# Altium PCB DCAC_V2c.PcbDoc (part 7 of 7)
Units mm, origin at the board's own origin, x right, y up, seen from the top; angles counter-clockwise.
Board outline 174.4 x 124.43 mm, 4 copper layers (Top Layer, TOP_RTN, BOTT_RTN, Bottom Layer), stack 1.506 mm thick; 694 components, 367 nets, 1780 pads, 720 vias.
Unrouted connection lines stored in the file: 177.
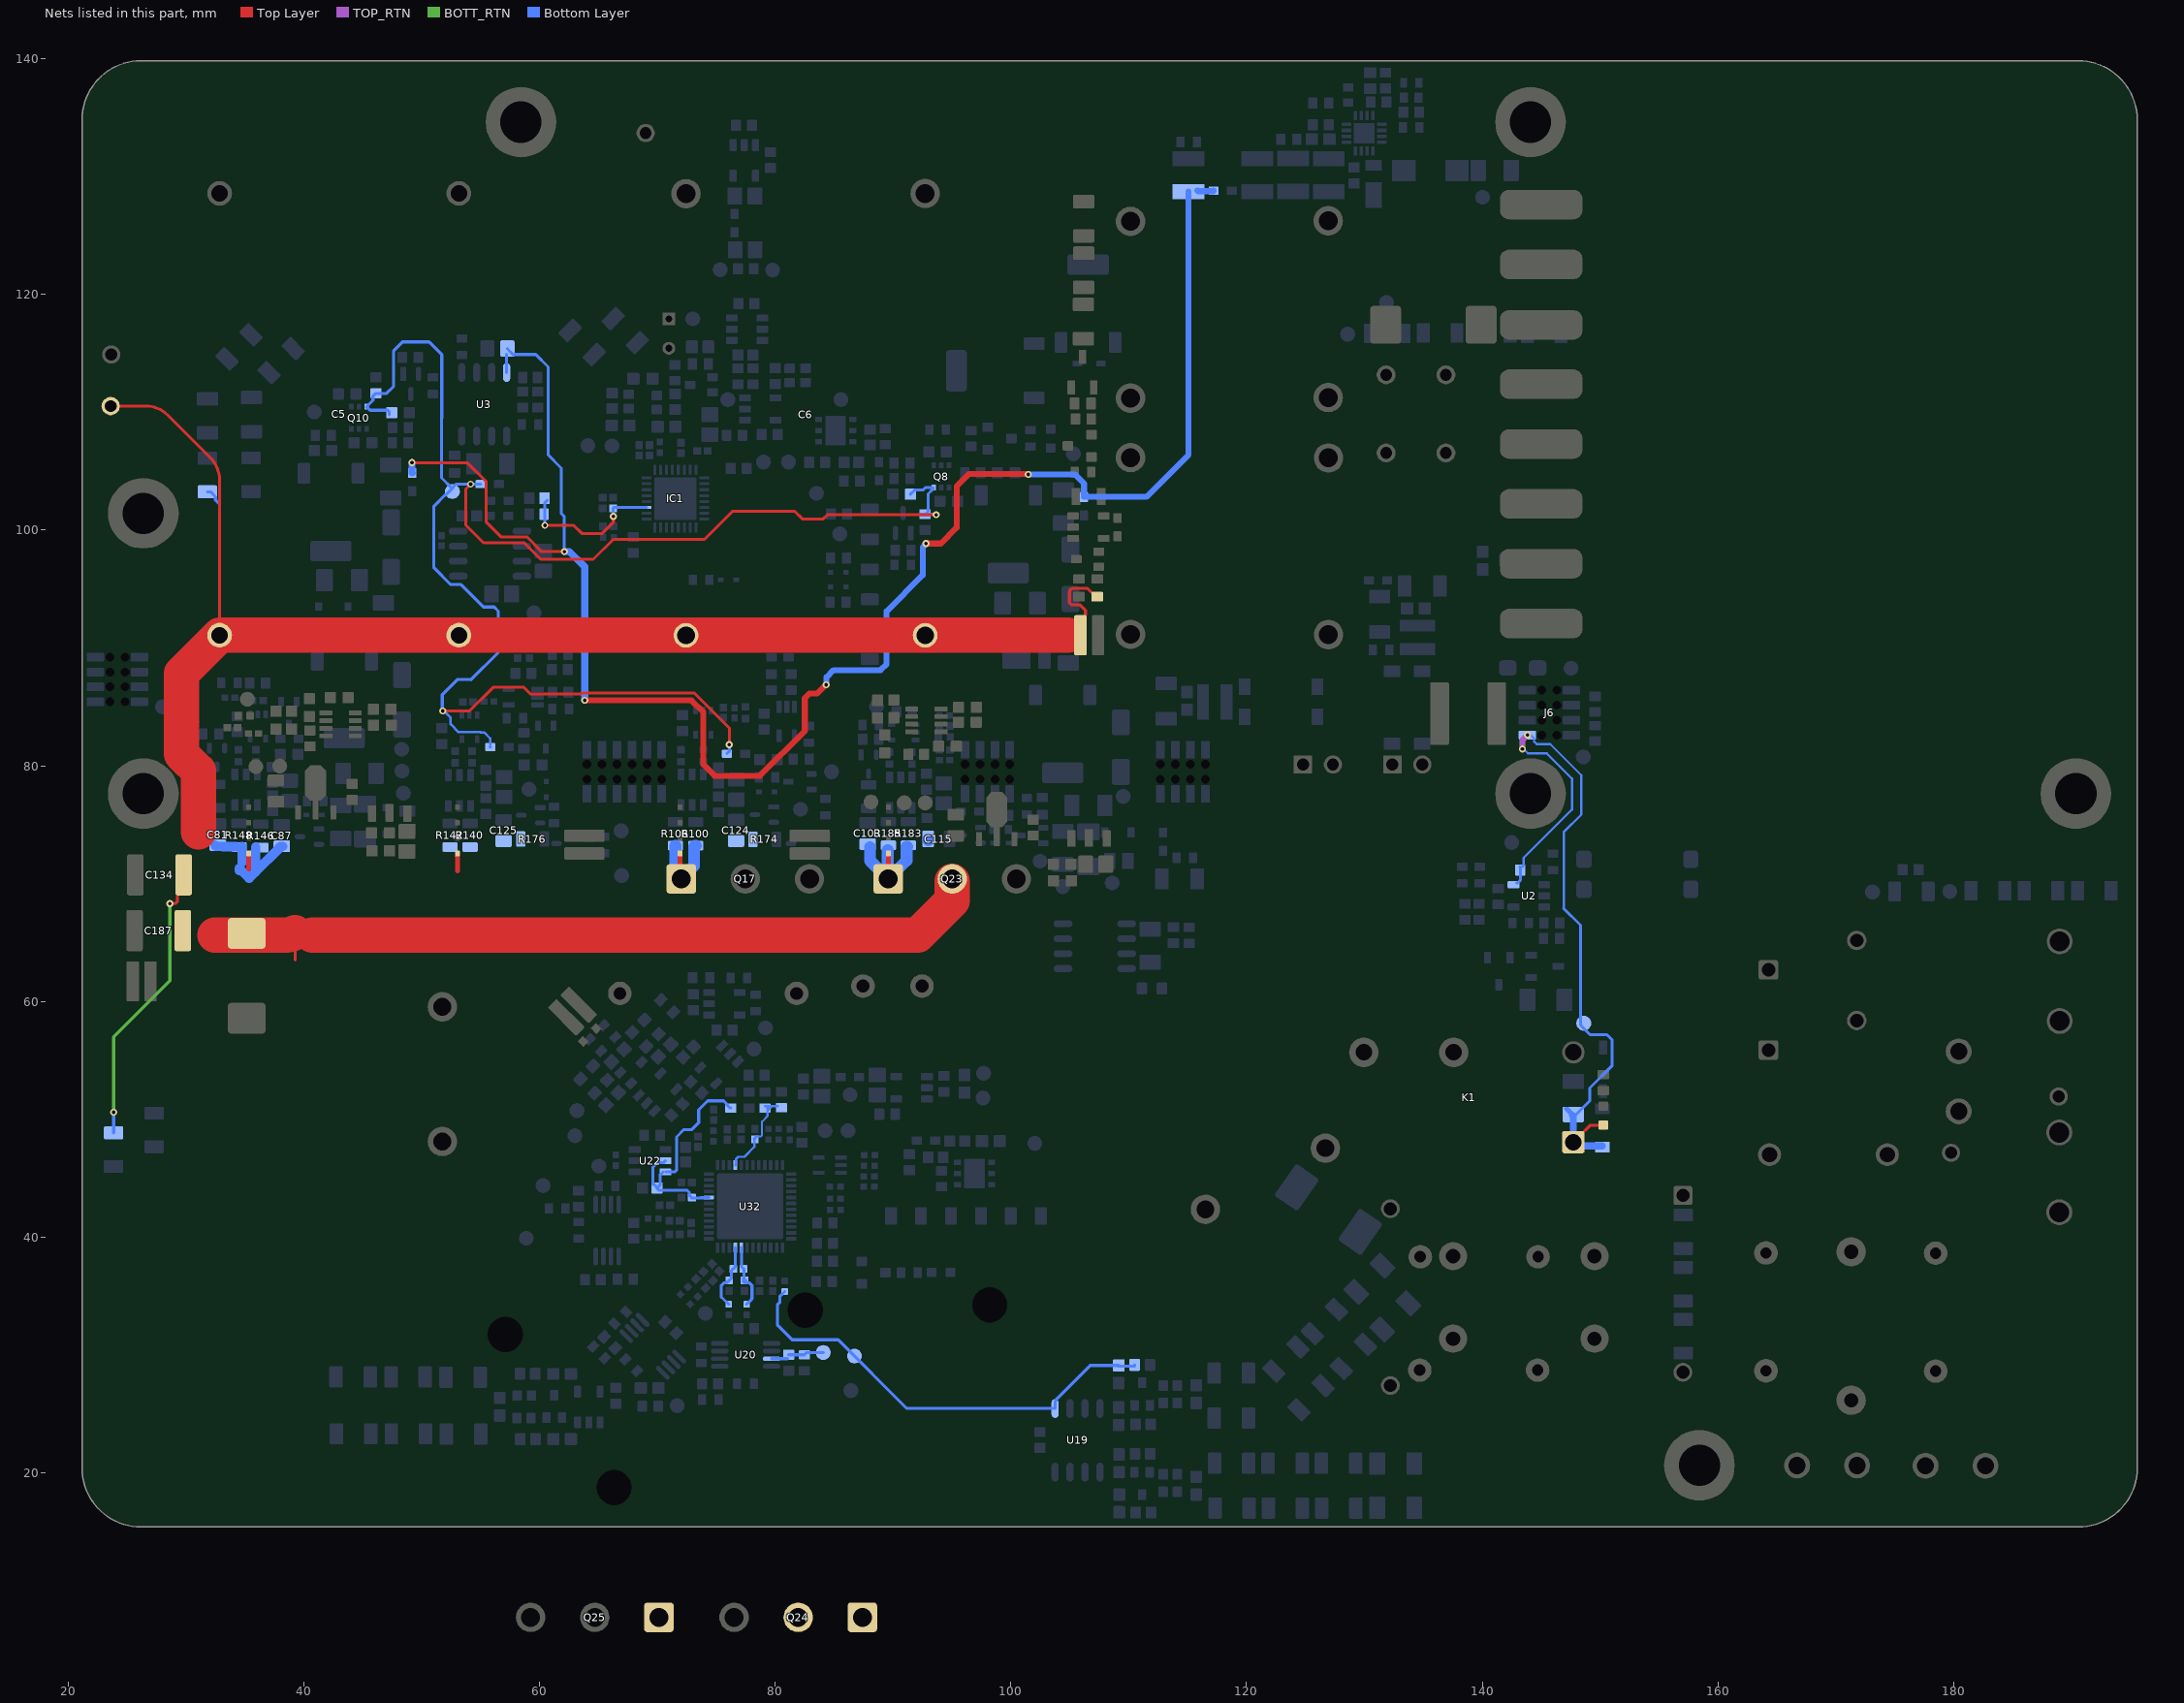
[diagram p9: the nets of this part, all layers, seen from the top]

## Via types
v1: diameter 0.6, hole 0.3, Top Layer to Bottom Layer, tented both sides, 679 vias
v2: diameter 0.6/0.6/0.6/0.6 (per signal layer), hole 0.3, Top Layer to Bottom Layer, tented both sides, 33 vias
v3: diameter 0.6, hole 0.3, Top Layer to Bottom Layer, 8 vias

## Nets (pads, with @x,y where several pads share a name; then routed paths per layer and width w, separated by ;. In a path a pad name is that pad's centre, name@x,y a point inside that pad or via, vN(x,y) a via of type N, cw(c..) or ccw(c..) an arc to the next point about the centre after c; other vN are vias at no path point) (continued)
V_12: C38.2 C116.2 D18.2 GRID_ON.2 J6.2 K1.1 TP70.1 U2.5 | length 66.3
  Top Layer w0.254: K1.1@148.1,48.5 148.175,48.5 149.175,49.5 GRID_ON.2@150.275,49.5
  TOP_RTN w0.5: v1(143.4,81.425) 143.419,81.444 143.419,82.192 v1@143.825,82.598
  Bottom Layer w0.203: C116.2@143.18,71.425 143.408,71.425 143.511,71.528 143.511,72.181 147.625,76.295 147.625,78.897 145.472,81.05 143.88,81.05 143.505,81.425 v1(143.4,81.425) ; J6.2@143.83,82.595 144.124,82.595 144.393,82.327 144.393,82.071 144.633,81.831 145.768,81.831 148.402,79.198 148.402,75.852 146.905,74.355 146.905,67.895
  Bottom Layer w0.254: U2.5@142.925,70.055 143,70.055 143.225,70.28 C116.2@143.225,71.155 C116.2@143.225,71.38 ; 146.905,67.895 148.335,66.465 148.335,57.99 149.15,57.175 150.575,57.175 151.025,56.725 151.025,54.55 149.125,52.65 149.125,51.55 147.975,50.4 C38.2@147.725,50.4
  Bottom Layer w0.3: C38.2@147.662,50.308 147.083,50.887 147.238,50.887 C38.2@147.725,50.4
  Bottom Layer w0.6: C38.2@147.662,50.308 147.727,50.308 147.727,48.053 K1.1@147.73,48.055 148.045,47.74 D18.2@150.165,47.74
  other v1: 143.825,82.625
V_16VP: C95.2 C98.2 FB3.1 FB4.2 FB14.2 Q8.6 Q10.6 R67.1 R79.1 TP48.1 | length 140.6
  Top Layer w0.254: v1(51.775,84.65) 54.05,84.65 56.055,86.655 58.676,86.655 59.249,86.082 63.492,86.082 63.582,86.171 73.143,86.171 76.1,83.214 v1(76.1,81.8) ; v1(54.15,103.9) 53.745,103.495 53.745,100.425 55.245,98.925 58.7,98.925 60.1,97.525 64.559,97.525 66.25,99.216 73.991,99.216 76.361,101.586 81.664,101.586 82.3,100.95 84.075,100.95 84.425,101.3 v1(93.65,101.3)
  Bottom Layer w0.203: v1(51.775,84.65) 51.882,84.65 52.455,84.078 52.455,83.531 53.132,82.854 54.986,82.854 55.003,82.838 55.287,82.838 55.798,82.327 FB14.2@55.798,81.602
  Bottom Layer w0.254: Q10.6@45.325,110.475 45.325,110.425 45.398,110.352 45.448,110.352 45.625,110.175 47.102,110.175 47.25,110.027 R79.1@47.25,109.775 ; Q10.6@45.448,110.598 45.86,111.01 45.86,111.36 46.075,111.575 46.981,111.575 47.618,112.212 47.618,115.224 48.369,115.975 50.625,115.975 51.705,114.895 51.705,109.507 51.688,109.491 51.688,104.437 52.525,103.6 TP48.1@52.6,103.6 ; v1(51.775,84.65) 51.742,84.683 51.742,86.026 53.017,87.3 53.042,87.325 54.15,87.325 ; 54.175,87.3 56.493,89.618 56.493,93.125 56.143,93.475 55.244,93.475 53.344,95.375 52.465,95.375 51.04,96.8 51.04,102.04 51.973,102.973 52.023,102.973 52.6,103.55 TP48.1@52.6,103.6 ; FB3.1@55,103.9 v1(54.15,103.9) 52.9,103.9 TP48.1@52.6,103.6 ; FB14.2@55.798,81.602 FB14.2@55.825,81.575 ; FB4.2@75.9,81.025 76.1,81.225 v1(76.1,81.8) ; R67.1@91.475,103.05 91.823,103.398 92.523,103.398 92.725,103.6 93.4,103.6 93.4,103.5 92.975,103.075 92.975,101.6 C95.2@92.725,101.35 v1@93.675,101.35
V_21VP: C105.2 C178.2 FB7.2 FB16.1 FB17.1 U3.8 | length 156.2
  Top Layer w0.254: v1(49.175,105.725) 53.85,105.725 55.475,104.1 55.475,100.675 56.725,99.425 58.925,99.425 60.175,98.175 v1(62.105,98.175)
  Top Layer w0.508: v1(63.836,85.555) 63.841,85.55 72.9,85.55 73.9,84.55 73.9,80.1 74.85,79.15 78.7,79.15 82.51,82.96 82.51,85.73 82.919,86.139 83.569,86.139 84.305,86.875 v1(84.33,86.875) ; v1(92.8,98.85) 92.805,98.855 94.055,98.855 95.4,100.2 95.4,103.725 96.45,104.775 101.425,104.775 v1(101.475,104.725)
  Bottom Layer w0.254: U3.8@57.205,113.375 C105.2@57.205,114.92 ; C105.2@57.275,115.4 57.275,115.373 57.748,114.9 59.675,114.9 60.725,113.85 60.725,106.375 61.845,105.255 61.845,101.399 62.104,101.141 62.104,98.27 v1@62.173,98.2
  Bottom Layer w0.508: v1(84.33,86.875) 84.347,86.893 84.347,87.508 84.953,88.113 88.938,88.113 89.45,88.625 89.45,93.1 92.525,96.175 92.525,98.55 92.8,98.825 v1(92.8,98.85) ; v1(101.475,104.725) 105.425,104.725 106.2,103.95 106.2,103.05 FB16.1@106.25,103 ; FB16.1@106.175,102.825 111.498,102.825 115.075,106.402 C178.2@115.075,128.725 ; C178.2@115.825,128.825 115.888,128.762 117.162,128.762 FB7.2@117.2,128.8
  Bottom Layer w0.6: v1(49.175,105.725) 49.175,104.875 FB17.1@49.2,104.85 ; v1(62.105,98.175) 62.525,98.175 63.825,96.875 63.825,85.566 v1(63.836,85.555)
V_400VDC: C5.1 C5.2 C6.1 C134.2 C187.2 D40.2 Q23.2 Q24.2 R161.1 R201.1 R205.1 RcsnHV.1 TP7.1 | length 225.6
  Top Layer w0.254: TP7.1@23.6,110.525 26.623,110.525 cw(c26.623,107.985) 28.419,109.781 32.056,106.144 cw(c30.139,104.227) 32.85,104.227 C5.2@32.85,91.075 ; v1@28.645,68.305 29.108,68.305 29.257,68.454 29.257,69.126 29.331,69.2 C134.2@29.45,69.2 ; 39.175,65.9 39.257,65.818 39.257,65.625 39.257,63.493 ; RcsnHV.1@105.9,91.075 106.298,91.473 106.298,92.77 106.325,92.797 106.325,93.189 105.869,93.645 105.149,93.645 104.97,93.824 104.97,94.75 cw(c105.275,94.75) 105.275,95.055 106.495,95.055 R205.1@107.05,94.5
  Top Layer w3: 29.717,80.899 cw(c31.894,82.962) 29.625,81 29.625,87.85 C5.2@32.85,91.075 C5.1@53.15,91.075 53.155,91.07 C6.1@72.425,91.07 C6.1@92.725,91.07 104.85,91.07 ; 29.733,80.883 31.053,79.563 31.053,74.383 ; 32.432,65.625 38.285,65.625 ccw(c38.285,68.165) 39.257,65.818 ; 40.72,65.63 92.1,65.63 95.025,68.555 Q23.2@95.025,70.2
  BOTT_RTN w0.254: v1(23.86,50.59) 23.86,56.985 28.625,61.75 v1(28.625,68.3)
  Bottom Layer w0.254: R201.1@23.85,48.84 23.86,48.85 v1(23.86,50.59) ; R161.1@31.8,103.25 32.075,103.25 32.498,102.827 32.498,102.552 32.85,102.2 C5.2@32.85,91.075
VAC_2: C131.2 R110.1 TP32.1 U20.3 | length 4.3
  Bottom Layer w0.254: U20.3@79.69,29.676 79.695,29.681 81.031,29.681 C131.2@81.05,29.7 ; C131.2@81.14,29.979 C131.2@81.165,29.979 ; C131.2@81.14,30.004 R110.1@82.385,30.005 ; R110.1@82.485,30.005 82.68,30.2 TP32.1@84.075,30.2
VAC_ADC1_IN1_2: C41.1 C83.2 R8.2 U32.8 | length 5.7
  Bottom Layer w0.254: U32.8@77.114,39.106 77.137,39.083 77.137,37.478 77.358,37.257 77.358,36.528 77.274,36.445 77.27,36.445 C41.1@77.4,36.315 ; C41.1@77.271,36.249 77.302,36.217 77.372,36.147 C41.1@77.404,36.116 ; C41.1@77.525,36.3 77.525,36.17 77.593,36.102 77.824,36.102 78.025,35.901 78.025,35.706 78.029,35.702 78.029,34.77 77.976,34.77 77.976,34.701 R8.2@77.575,34.3
VAC_ADC1_IN2_2: C83.1 C84.2 R32.2 U32.9 | length 5.7
  Bottom Layer w0.254: R32.2@76.05,34.3 75.463,34.887 75.425,34.887 75.425,35.901 75.626,36.102 75.857,36.102 76.05,36.295 C84.2@76.05,36.315 ; C84.2@76.1,36.315 76.268,36.483 C83.1@76.268,37.107 ; C83.1@76.267,37.108 76.242,37.108 C83.1@76.435,37.3 ; C83.1@76.438,37.3 76.598,37.46 76.598,37.626 76.614,37.642 U32.9@76.614,39.106
VAC_BF_OPAMP1_OUT_2: C147.2 R60.1 R194.1 TP31.1 U19.1 | length 38.4
  Bottom Layer w0.254: R60.1@80.8,35.375 80.38,34.955 80.38,34.449 80.175,34.245 80.175,32.55 81.44,31.285 85.34,31.285 91.175,25.45 U19.1@103.745,25.45 103.745,25.95 103.745,26.027 103.745,26.044 103.888,26.186 103.888,26.263 106.725,29.1 C147.2@109.15,29.1 ; C147.2@109.125,29.05 110.5,29.05 R194.1@110.5,29.15
VH_BOTT_HF_MOS: C125.1 D16.1 Q25.1 R140.2 R142.2 R176.2 | length 1.5
  Top Layer w0.4: D16.1@53.025,72.515 53.025,71.1 53.05,71.075
VH_BOTT_LF_MOS: C124.1 D17.1 Q17.1 R100.2 R106.2 R174.2 | length 7.9
  Top Layer w0.4: Q17.1@71.925,70.925 D17.1@71.925,72.565
  Bottom Layer w1: R106.2@71.525,73.225 71.525,70.9 Q17.1@72.025,70.4 ; Q17.1@72.45,70.4 72.45,70.825 73.1,71.475 73.1,73.125 73.2,73.225 R100.2@73.25,73.225
VH_TOP_HF_MOS: C81.1 C87.1 D13.1 Q24.1 R146.2 R148.2 | length 12.2
  Top Layer w0.4: 35.325,71.225 D13.1@35.325,72.565
  Bottom Layer w0.8: C81.1@32.45,73.25 32.55,73.15 33.111,73.15 33.136,73.125 R148.2@34.2,73.125 ; 34.75,71.8 R148.2@34.75,73.125 ; R146.2@35.9,73.1 35.9,70.99 ; C87.1@38.2,73.15 38,73.15 37.9,73.05 37.9,72.99 35.9,70.99 ; 34.72,71.09 35.36,70.45 35.9,70.99 ; 34.72,71.09 34.51,71.3 34.51,71.09 34.72,71.09
VH_TOP_LF_MOS: C103.1 C115.1 D14.1 Q23.1 R183.2 R185.2 | length 9.7
  Top Layer w0.4: Q23.1@89.5,70.8 89.6,70.9 D14.1@89.6,72.565
  Bottom Layer w1: C103.1@88.05,73.1 88.05,71.935 Q23.1@89.585,70.4 91.15,71.965 91.15,73.125 R183.2@91.2,73.125 ; 89.55,71.75 89.55,72.825 ; C115.1@92.975,73.686 C115.1@92.975,73.7
VINMON_2: C63.2 R62.1 R65.2 U32.28 | length 8.4
  Bottom Layer w0.178: C63.2@78.25,48.305 78.41,48.465 78.481,48.536 78.779,48.536 78.883,48.64 78.883,49.804 79.344,50.265 79.344,50.814 79.416,50.886 79.48,50.95 79.6,50.95 ; C63.2@78.3,48.285 C63.2@78.3,48.305
  Bottom Layer w0.2: C63.2@78.205,48.355 C63.2@78.375,48.525 ; R65.2@79.125,51.125 R65.2@79.176,51.125 ; R65.2@79.476,50.825 79.416,50.886 R65.2@79.176,51.125 ; R62.1@80.2,51.125 R65.2@79.176,51.125
  Bottom Layer w0.203: U32.28@76.614,46.106 76.662,46.154 76.662,46.607 76.866,46.81 77.385,46.81 78.225,47.65 C63.2@78.225,48.285
VMON_MOS_DRV_1_N: C104.2 IC1.3 R178.1 R179.2 | length 12.6
  Top Layer w0.254: v1(60.45,100.4) 62.895,100.4 63.579,99.715 65.32,99.715 66.265,100.66 v1(66.265,101.16)
  Bottom Layer w0.254: v1(60.45,100.4) R179.2@60.45,101.3 ; R179.2@60.45,101.35 60.45,102.327 60.648,102.525 R178.1@60.65,102.525 ; C104.2@66.24,101.85 66.252,101.838 66.252,101.173 v1(66.265,101.16) ; C104.2@66.298,101.923 69.073,101.923 IC1.3@69.075,101.925
VREF: C153.2 C160.2 R42.2 U22.5 U22.6 U32.20 | length 20.4
  Bottom Layer w0.254: C153.2@69.962,44.137 70.126,43.973 72.516,43.973 72.717,43.772 72.717,43.541 72.91,43.348 C160.2@72.93,43.348 ; U22.6@70.476,45.527 70.218,45.269 70.218,44.393 70,44.175 70,44.177 69.702,44.475 69.624,44.475 69.624,45.947 69.981,46.304 70.503,46.304 U22.5@70.676,46.477 ; U22.6@70.676,45.527 71.471,45.527 71.62,45.676 71.62,48.185 71.625,48.189 71.625,48.5 72.25,49.125 72.925,49.125 73.5,49.7 73.5,50.801 74.259,51.56 75.615,51.56 75.877,51.298 75.877,51.223 76.15,50.95 R42.2@76.225,50.95 ; C160.2@72.861,43.33 73.651,43.33 73.653,43.333 74.341,43.333 U32.20@74.364,43.356
pads on no net: C24.0 C81.0 C85.0 C87.0 C103.0 C115.0 C124.0 C125.0 C134.0 C187.0 CONN_BOTT.13 CONN_BOTT.14 CONN_BOTT.15 CONN_BOTT.16 CONN_BOTT.17 CONN_BOTT.18 CONN_BOTT.19 CONN_BOTT.20 CONN_BOTT.21 CONN_BOTT.22 CONN_BOTT.23 CONN_BOTT.24 D1.0 D6.0 D7.0 D24.0 D26.0 D28.0 J1.9 J1.10 J1.11 J1.12 J1.13 J1.14 J1.15 J1.16 J4.9 J4.10 J4.11 J4.12 J4.13 J4.14 J4.15 J4.16 J5.9 J5.10 J5.11 J5.12 J5.13 J5.14 J5.15 J5.16 J6.9 J6.10 J6.11 J6.12 J6.13 J6.14 J6.15 J6.16 Q2.0 Q3.0 Q4.0 Q5.0 Q6.0 Q9.0 Q11.0 Q16.0 R58.0 R64.0 R75.0 R77.0 R100.0 R106.0 R140.0 R142.0 R146.0 R148.0 R151.0 R174.0 R176.0 R183.0 R185.0 R189.0 R268.0 Rcsn4.1 Rcsn4.2 T2.9 T2.10 T2.12 T2.13 T2.15 T2.16 U2.0 U3.0 U3.2 U3.6 U4.0 U8.0 U9.0 U14.0 U18.5 U19.0 U20.0 U21.0 U22.0 U23.0 U24.0 U25.5 U26.0 U27.0 U30.0 U32.3 U32.4 U32.6 U32.19 U32.22 U32.29 U32.30 U32.38 U32.42 U32.44 U32.45 U32.47 U33.0 U34.0 U35.0 U36.0 U38.0 U39.0 U40.15 U41.0

## Polygon pours and split planes (outlines as drawn)
IND_GND on Top Layer "IND_GND_L01_P038" (solid, remove dead copper, pour order 38): 59.9,49.723 cw(c62.44,49.723) 60.644,51.519 64.531,55.406 cw(c72.21,48.625) 71.575,58.85 74.925,58.85 cw(c74.964,43.523) 85.775,54.387 92.812,54.387 ccw(c96.12,55.758) 94.75,52.45 97.51,52.45 cw(c97.51,50.061) 99.2,51.75 102.678,48.272 cw(c100.886,46.473) 103.425,46.473 103.425,41.902 cw(c100.886,41.902) 102.681,40.106 99.894,37.319 cw(c98.098,39.115) 98.098,36.575 78.875,36.575 ccw(c78.875,34.875) 77.175,34.875 77.175,32.74 cw(c74.635,32.74) 74.635,30.2 62.44,30.2 cw(c62.44,32.74) 59.9,32.74 59.9,36.55
TOP_LF_MOS_VSN on Top Layer "TOP_LF_MOS_VSN_L01_P059" (solid, remove dead copper, pour order 59): 107.725,81.325 cw(c107.725,79.2) 109.85,79.2 109.85,75.025 cw(c107.85,75.025) 107.85,73.025 105.35,73.025 cw(c105.35,74.625) 103.75,74.625 103.75,80.15 cw(c104.925,80.15) 104.925,81.325
TOP_LF_GND on Top Layer "TOP_LF_GND_L01_P058" (solid, remove dead copper, pour order 58): 95.425,72.775 cw(c95.425,70.3) 97.175,72.05 98.685,70.54 cw(c98.152,69.556) 99.225,69.875 ccw(c99.057,71.909) 100.614,70.589 100.75,70.725 ccw(c100.146,71.329) 101,71.329 101,71.45 cw(c101.966,72.416) 100.6,72.416 100.6,74.725 cw(c101.7,74.725) 101.7,75.825 102.25,75.825 ccw(c102.25,77.05) 103.475,77.05 103.475,79.185 ccw(c100.935,79.185) 100.935,81.725 97.04,81.725 ccw(c97.04,79.185) 94.5,79.185 94.5,73.825 ccw(c95.55,73.825) 95.55,72.775
TOP_HF_GND on Top Layer "TOP_HF_GND_L01_P039" (solid, remove dead copper, pour order 39): 36.8,78.575 cw(c38.825,78.575) 38.825,80.6 43.25,80.6 cw(c43.25,79.25) 44.6,79.25 44.6,74.975 cw(c42.475,74.975) 42.475,72.85 38.875,72.85 cw(c38.875,74.925) 36.8,74.925
V_400VDC on Top Layer "NONET_L-01_P-001" (solid, pour order 115): 42.14,69.275 ccw(c44.41,69.275) 44.41,67.005 45.06,67.005 cw(c44.125,67.005) 44.125,66.07 41.26,66.07 cw(c41.26,66.395) 40.935,66.395 40.935,68.75 cw(c42.14,68.75) 42.14,69.955
V_400VDC on Top Layer "V_400VDC_L01_P081" (solid, remove dead copper, pour order 81): 104.325,89.375 34.577,89.375 ccw(c34.577,86.835) 32.781,88.631 31.869,87.719 ccw(c33.665,85.923) 31.125,85.923 31.125,82.407 ccw(c32.832,82.407) 31.625,81.2 31.831,80.994 cw(c30.035,79.198) 32.575,79.198 32.575,74.578 cw(c30.698,74.578) 32.025,73.25 ccw(c32.327,72.948) 31.9,72.948 31.9,68.616 ccw(c33.266,68.616) 32.3,67.65 32.624,67.326 ccw(c33.35,68.051) 33.35,67.025 36.75,67.025 ccw(c37.045,69.37) 39.39,69.075 39.39,70.3 cw(c40.81,70.34) 40.77,71.76 cw(c40.725,70.345) 42.14,70.3 42.14,65.94 cw(c39.6,65.94) 39.6,63.4 31.54,63.4 cw(c31.54,65.94) 29,65.94 29,78.248 ccw(c26.46,78.248) 28.256,80.044 28.075,80.225 cw(c29.584,81.734) 27.45,81.734 27.45,90.223 cw(c29.99,90.223) 28.194,92.019 29.2,93.025 cw(c30.286,91.939) 30.286,93.475 104.091,93.475 cw(c104.091,90.14) 106.45,92.498 106.45,89.4 cw(c106.35,89.4) 106.35,89.3 104.506,89.3 cw(c104.506,89.556)
TOP_HF_GND on Top Layer "TOP_HF_GND_L01_P060" (solid, remove dead copper, pour order 60): 41.4,73.3 41.775,73.3 cw(c41.775,71.6) 43.475,71.6 cw(c43.475,70.325) 44.75,70.325 44.75,69.6 ccw(c44.925,69.6) 44.925,69.425 47.6,69.425 cw(c47.6,69.85) 47.175,69.85 47.175,71.275 ccw(c45.55,71.275) 45.55,72.9 cw(c45.55,73.85) 44.6,73.85 44.6,75.2
IND_GND on Top Layer "NONET_L-01_P-001" (solid, remove dead copper, pour order 110): 85.225,18.275 119.225,18.275 ccw(c119.225,20.14) 121.09,20.14 121.09,29.56 ccw(c118.55,29.56) 118.55,32.1 85.435,32.1
IND_GND on Top Layer "IND_GND_L01_P050" (solid, remove dead copper, pour order 50): 81.7,36.575 ccw(c81.7,35.275) 80.4,35.275 80.4,33.225 ccw(c81.525,33.225) 81.525,32.1 85.76,32.1 cw(c85.76,29.56) 88.3,29.56 88.3,20.815 cw(c85.76,20.815) 85.76,18.275 71.477,18.275 cw(c71.477,20.815) 69.681,19.019 60.644,28.056 cw(c62.44,29.852) 59.9,29.852 59.9,37.875
I_HVDC_SENSE+ on Top Layer "NONET_L-01_P-001" (solid, remove dead copper, pour order 104): 135.325,106.625 cw(c136.7,106.625) 136.7,108 137.125,108 cw(c137.125,106.65) 138.475,106.65 138.475,103.502 cw(c135.935,103.502) 137.731,101.706 132.119,96.094 ccw(c133.915,94.298) 131.375,94.298 131.375,91.915 cw(c128.835,91.915) 128.835,89.375 107.775,89.375 cw(c107.775,89.425) 107.725,89.425 107.725,92.275 cw(c108.691,92.275) 108.008,92.958 109.15,94.1 ccw(c107.641,95.609) 109.775,95.609 109.775,100.8 cw(c111.7,100.8) 111.7,102.725 132.785,102.725 ccw(c132.785,105.265) 135.325,105.265
NetF3_1 on Top Layer "NETF3_1_L01_P093" (solid, remove dead copper, pour order 93): 147.7,118.675 141.997,118.675 cw(c141.997,119.272) 141.575,118.85 ccw(c141.153,118.428) 141.153,119.025 140.825,119.025 140.825,115.825 140.992,115.825 ccw(c140.992,116.508) 141.475,116.025 cw(c141.837,115.663) 141.837,116.175 147.65,116.175
BOTT_GND on Top Layer "BOTT_GND_L01_P091" (solid, remove dead copper, pour order 91): 70.491,112.924 cw(c73.031,112.924) 73.031,115.464 74.391,115.464 cw(c74.391,113.139) 76.716,113.139 76.716,110.804 cw(c74.176,110.804) 74.176,108.264 73.031,108.264 cw(c73.031,110.804) 70.491,110.804 70.491,110.864
INV_IND_SHUNT- on Top Layer "INV_IND_SHUNT-_L01_P025" (solid, remove dead copper, pour order 25): 62.15,60.925 62.5,61.275 62.631,61.406 cw(c64.427,59.61) 64.427,62.15 68.275,62.15 68.275,59.15 66.024,59.15 ccw(c66.024,57.101) 64.575,58.55
BOTT_GND on Top Layer "BOTT_GND_L01_P016" (solid, remove dead copper, pour order 16): 74.425,123.845 cw(c76.965,123.845) 76.965,126.385 78.325,126.385 cw(c78.325,124.06) 80.65,124.06 80.65,121.725 cw(c78.11,121.725) 78.11,119.185 76.965,119.185 cw(c76.965,121.725) 74.425,121.725 74.425,121.785
HF_MOS_COMP1_INP on Top Layer "HF_MOS_COMP1_INP_L01_P001" (solid, pour order 1): 62.1,73.075 62.1,70.7 ccw(c63.775,70.7) 63.775,69.025 ccw(c63.775,70.75) 65.5,70.75 65.5,73.075
NetC1_1 on Top Layer "NETC1_1_L01_P051" (solid, remove dead copper, pour order 51): 108.9,106.175 108.9,111.25 cw(c110.1,111.25) 110.1,112.45 127.025,112.45 cw(c127.025,111.275) 128.2,111.275 128.2,106.1 cw(c126.975,106.1) 126.975,104.875 110.2,104.875 cw(c110.2,106.175)
INV_IND_SHUNT+ on Top Layer "INV_IND_SHUNT+_L01_P026" (solid, remove dead copper, pour order 26): 61.425,60.2 50.891,49.666 ccw(c52.667,47.889) 50.16,47.729 ccw(c52.125,48.73) 51.816,46.547 ccw(c51.816,48.377) 53.111,47.083 63.836,57.808
LF_MOS_COMP3_INP on Top Layer "LF_MOS_COMP3_INP_L01_P002" (solid, pour order 2): 81.213,73.075 81.213,70.699 ccw(c82.888,70.699) 82.888,69.024 ccw(c82.888,70.749) 84.613,70.749 84.613,73.075
IND_GND on BOTT_RTN "IND_GND_L03_P022" (solid, remove dead copper, pour order 22): 65.55,62.925 ccw(c67.187,53.624) 57.745,53.818 57.745,32.016 ccw(c60.31,32.016) 58.497,30.202 69.669,19.03 ccw(c71.483,20.844) 71.483,18.278 135.44,18.278 ccw(c135.212,20.468) 137.402,20.697 137.63,23.66 ccw(c135.191,22.065) 133.595,24.503 122.908,24.503 cw(c122.908,27.069) 121.094,25.255 116.297,30.052 ccw(c114.483,28.24) 114.483,30.803 74.895,30.803 cw(c74.895,32.078) 73.62,32.078 73.62,34.503 cw(c75.42,34.503) 75.42,36.303 100.908,36.303 ccw(c100.908,38.869) 102.722,37.055 119.445,53.778 ccw(c118.25,55.058) 120,55 120,80 ccw(c116.735,79.871) 117.183,83.108 ccw(c117.183,77.745) 111.82,77.745 111.82,72.046 cw(c102.673,71.516) 111.325,68.5 ccw(c111.947,64.373) 108.9,67.225 108.9,59.7 cw(c107.85,60.615) 107.828,59.222 105.795,56.128 cw(c103.985,57.938) 103.985,55.378 88.958,55.378 cw(c88.958,57.944) 87.144,56.13 81.347,61.927 ccw(c79.007,59.687) 79.075,62.925
BOTT_GND on BOTT_RTN "BOTT_GND_L03_P019" (solid, remove dead copper, pour order 19): 44.8,103.67 cw(c44.8,102.445) 46.025,102.445 46.025,101.41 ccw(c48.14,101.41) 48.14,99.295 48.76,99.295 cw(c48.76,96.755) 51.3,96.755 51.3,68.195 85.725,68.195 85.725,84.755 cw(c88.265,84.755) 88.265,87.295 93.485,87.295 ccw(c93.485,89.835) 96.025,89.835 96.025,99.205 cw(c98.565,99.205) 98.565,101.745 101.15,101.745 cw(c101.15,99.37) 103.525,99.37 103.525,98.87 ccw(c105.475,98.87) 105.475,96.92 109.225,96.92 ccw(c108.275,98.42) 109.775,99.37 112.4,103.1 ccw(c104.353,105.472) 106.725,113.52 90.74,112.41 ccw(c89.638,111.522) 88.75,112.625 83.225,112.625 ccw(c84.022,109.952) 81.35,109.155 82.575,103.485 cw(c80.035,103.484) 80.035,100.945 66.274,100.945 cw(c66.277,103.485) 64.481,101.689 58.485,107.685 cw(c59.951,109.155) 57.875,109.155 57.875,114.095 ccw(c55.825,114.095) 55.825,116.145 48.2,116.145 ccw(c48.2,114.345) 46.4,114.345 cw(c45.575,114.345) 45.575,113.52 41.54,113.52 ccw(c41.54,110.98) 39,110.98 39,104.295 ccw(c39.625,104.295) 39.625,103.67
BOTT_GND on BOTT_RTN "BOTT_GND_L03_P010" (solid, remove dead copper, pour order 10): 33.75,89.525 ccw(c33.75,90.4) 34.625,90.4 34.625,108.198 cw(c37.165,108.198) 35.369,109.994 42.256,116.881 cw(c44.051,115.086) 44.052,117.625 56.173,117.625 cw(c56.173,115.092) 56.772,117.553 cw(c53.032,113.808) 58.325,113.804 58.325,104.535 ccw(c66.081,104.534) 60.597,99.05 63.925,99.05 ccw(c63.925,100.861) 65.205,99.58 65.3,99.675 ccw(c64.818,100.157) 65.5,100.158 65.5,100.225 cw(c66.345,100.225) 65.747,100.822 65.925,101 cw(c66.045,100.88) 66.046,101.05 71.473,101.05 ccw(c71.473,103.59) 73.269,101.794 73.525,102.05 76.238,102.05 cw(c76.239,101.54) 76.6,101.9 76.628,101.872 ccw(c77.225,102.47) 77.225,101.625 77.673,101.625 cw(c77.674,99.087) 79.469,100.881 80.181,100.169 ccw(c81.977,101.965) 81.977,99.425 85.364,99.425 ccw(c85.364,100.961) 86.45,99.875 ccw(c86.089,100.237) 86.6,100.237 86.6,102.35 ccw(c85.938,102.351) 86.406,102.819 85.45,103.775 ccw(c84.667,102.993) 84.665,104.1 83.75,104.1 cw(c83.75,105.126) 83.024,104.401 82.5,104.925 cw(c82.862,105.287) 82.35,105.287 82.35,109.573 cw(c84.89,109.573) 83.094,111.369 cw(c83.893,110.57) 83.893,111.7 104.583,111.7 ccw(c108.316,122.807) 113.53,112.313 113.53,138.775 90.794,138.775 74.236,138.775 ccw(c74.218,133.3) 70.345,137.17 60.519,127.344 ccw(c62.313,125.549) 59.775,125.548 59.775,123.427 cw(c57.238,123.426) 59.031,121.631 57.394,119.994 cw(c55.599,121.788) 55.598,119.25 43.077,119.25 ccw(c43.076,116.713) 41.281,118.506 31.694,108.919 ccw(c33.488,107.124) 30.95,107.123 30.95,90.325 ccw(c31.75,90.325) 31.75,89.525